# Altium PCB ASM001-design.PcbDoc (part 1 of 2)
Units mm, origin at the board's own origin, x right, y up, seen from the top; angles counter-clockwise.
Board outline 100 x 100 mm, 6 copper layers (L0, L2, L4, L6, L8, L10), stack 1.538 mm thick; 65 components, 48 nets, 529 pads, 2 vias.
Unrouted connection lines stored in the file: 163.
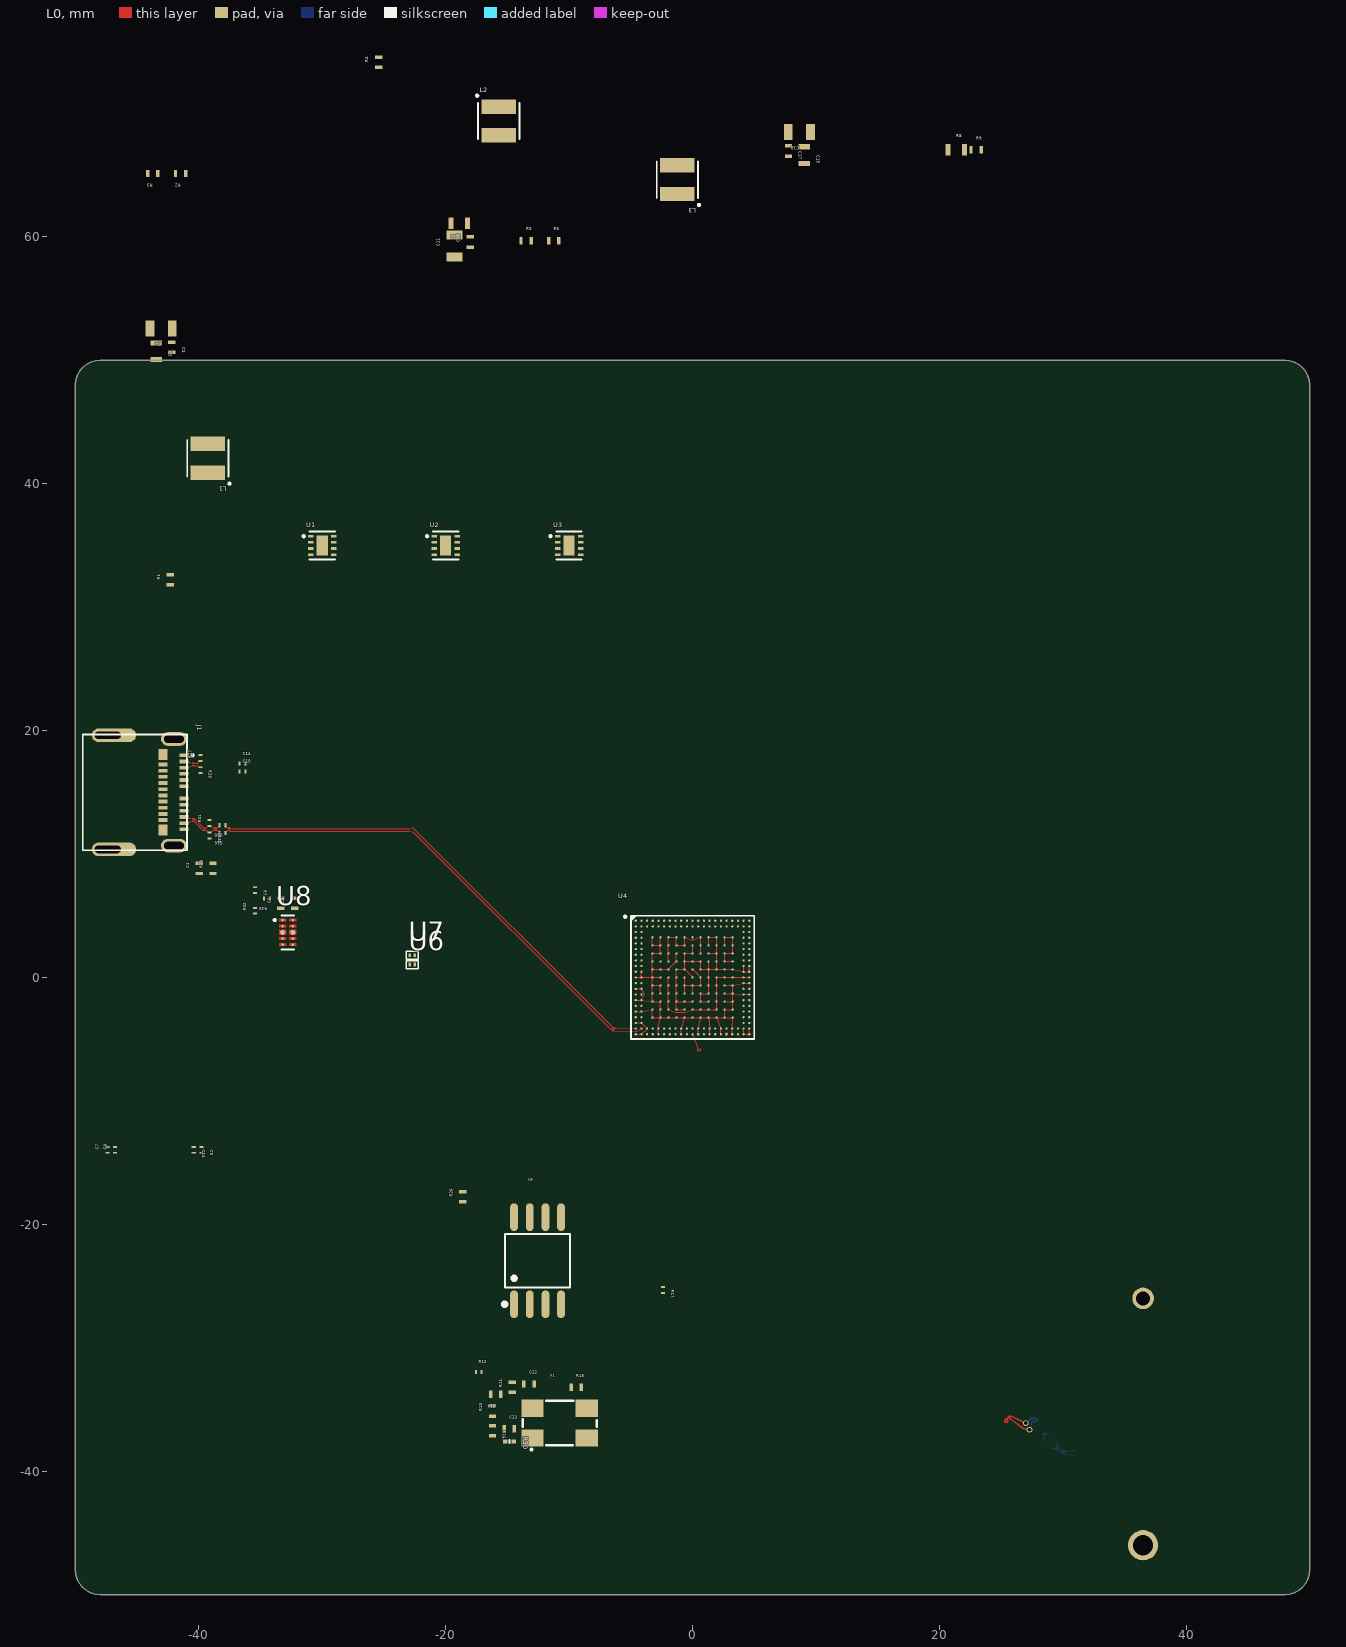
[diagram p0: L0 view]
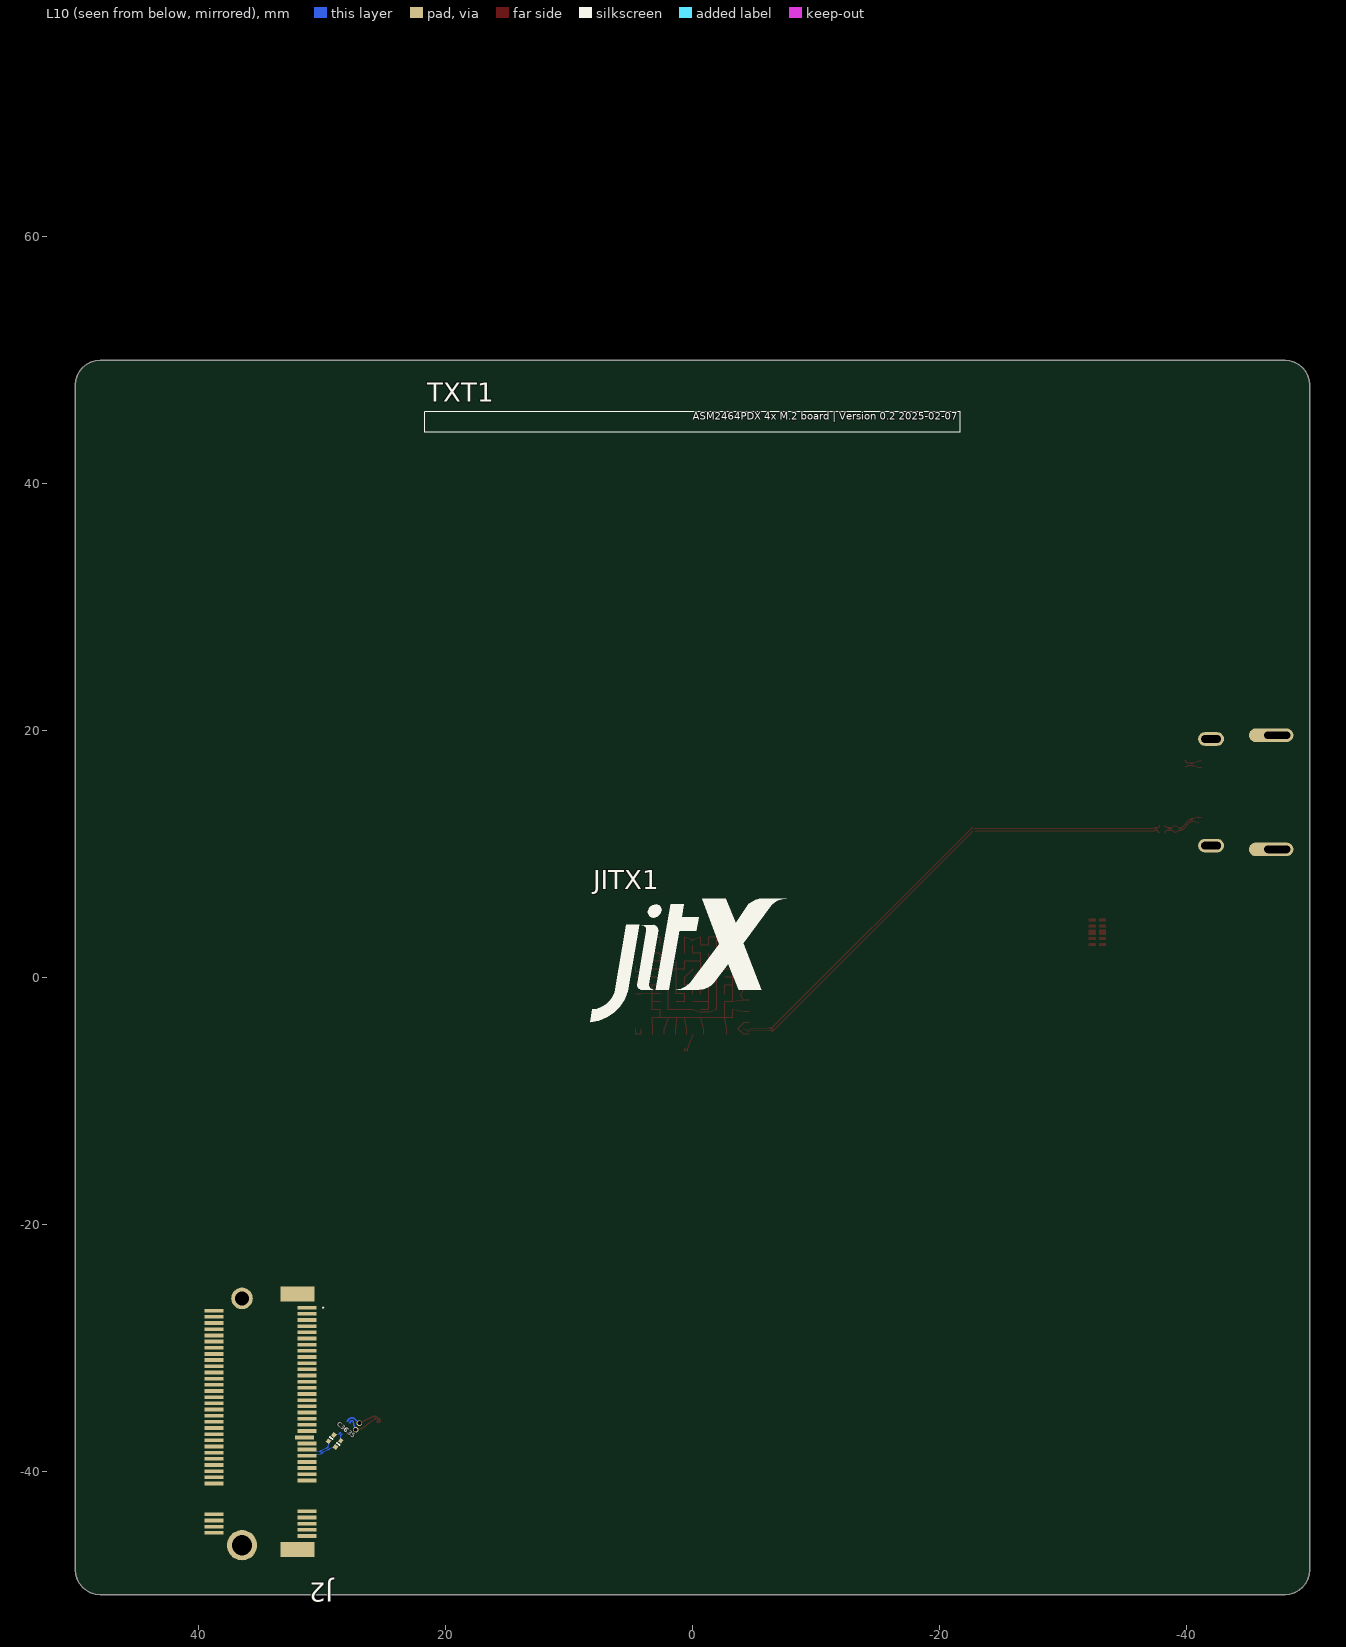
[diagram p1: L10 view, seen from below]
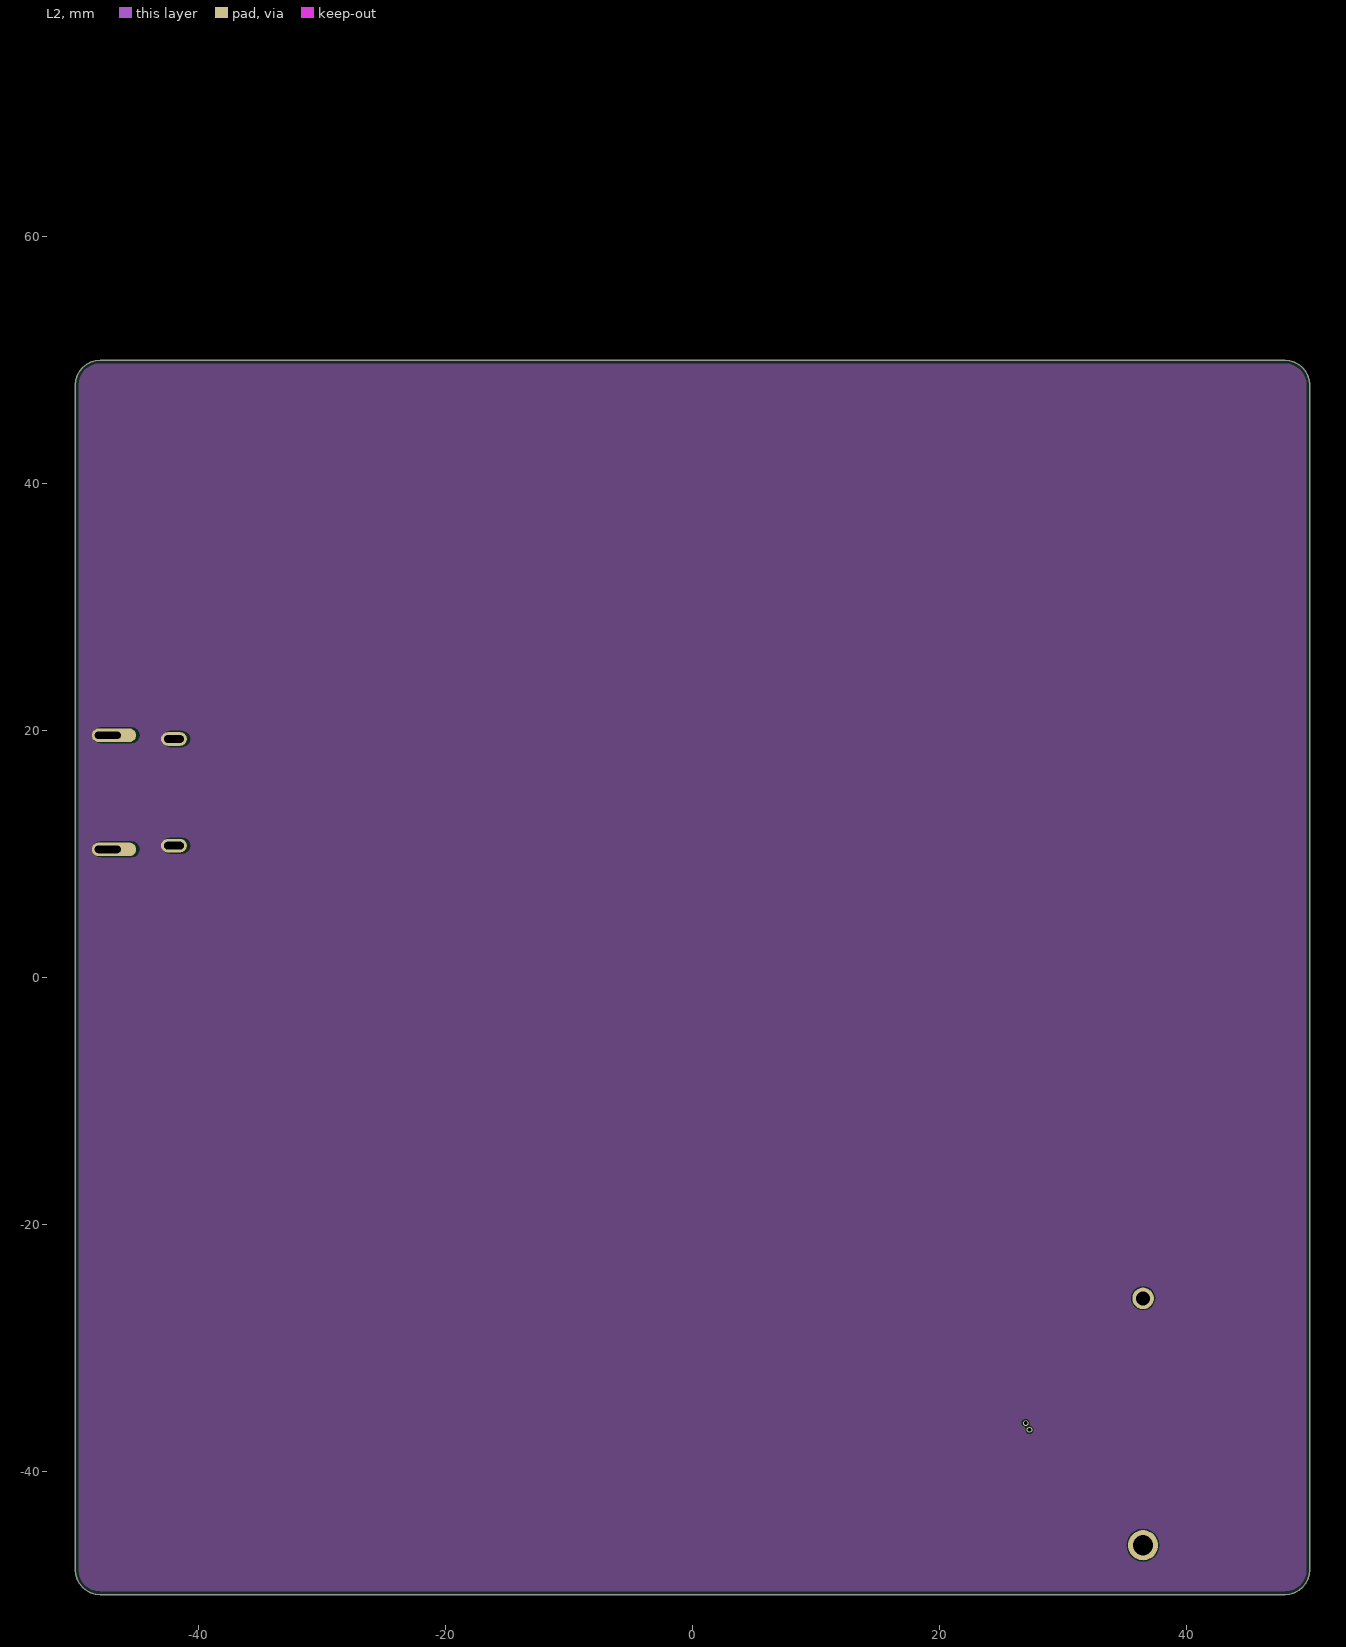
[diagram p2: L2]
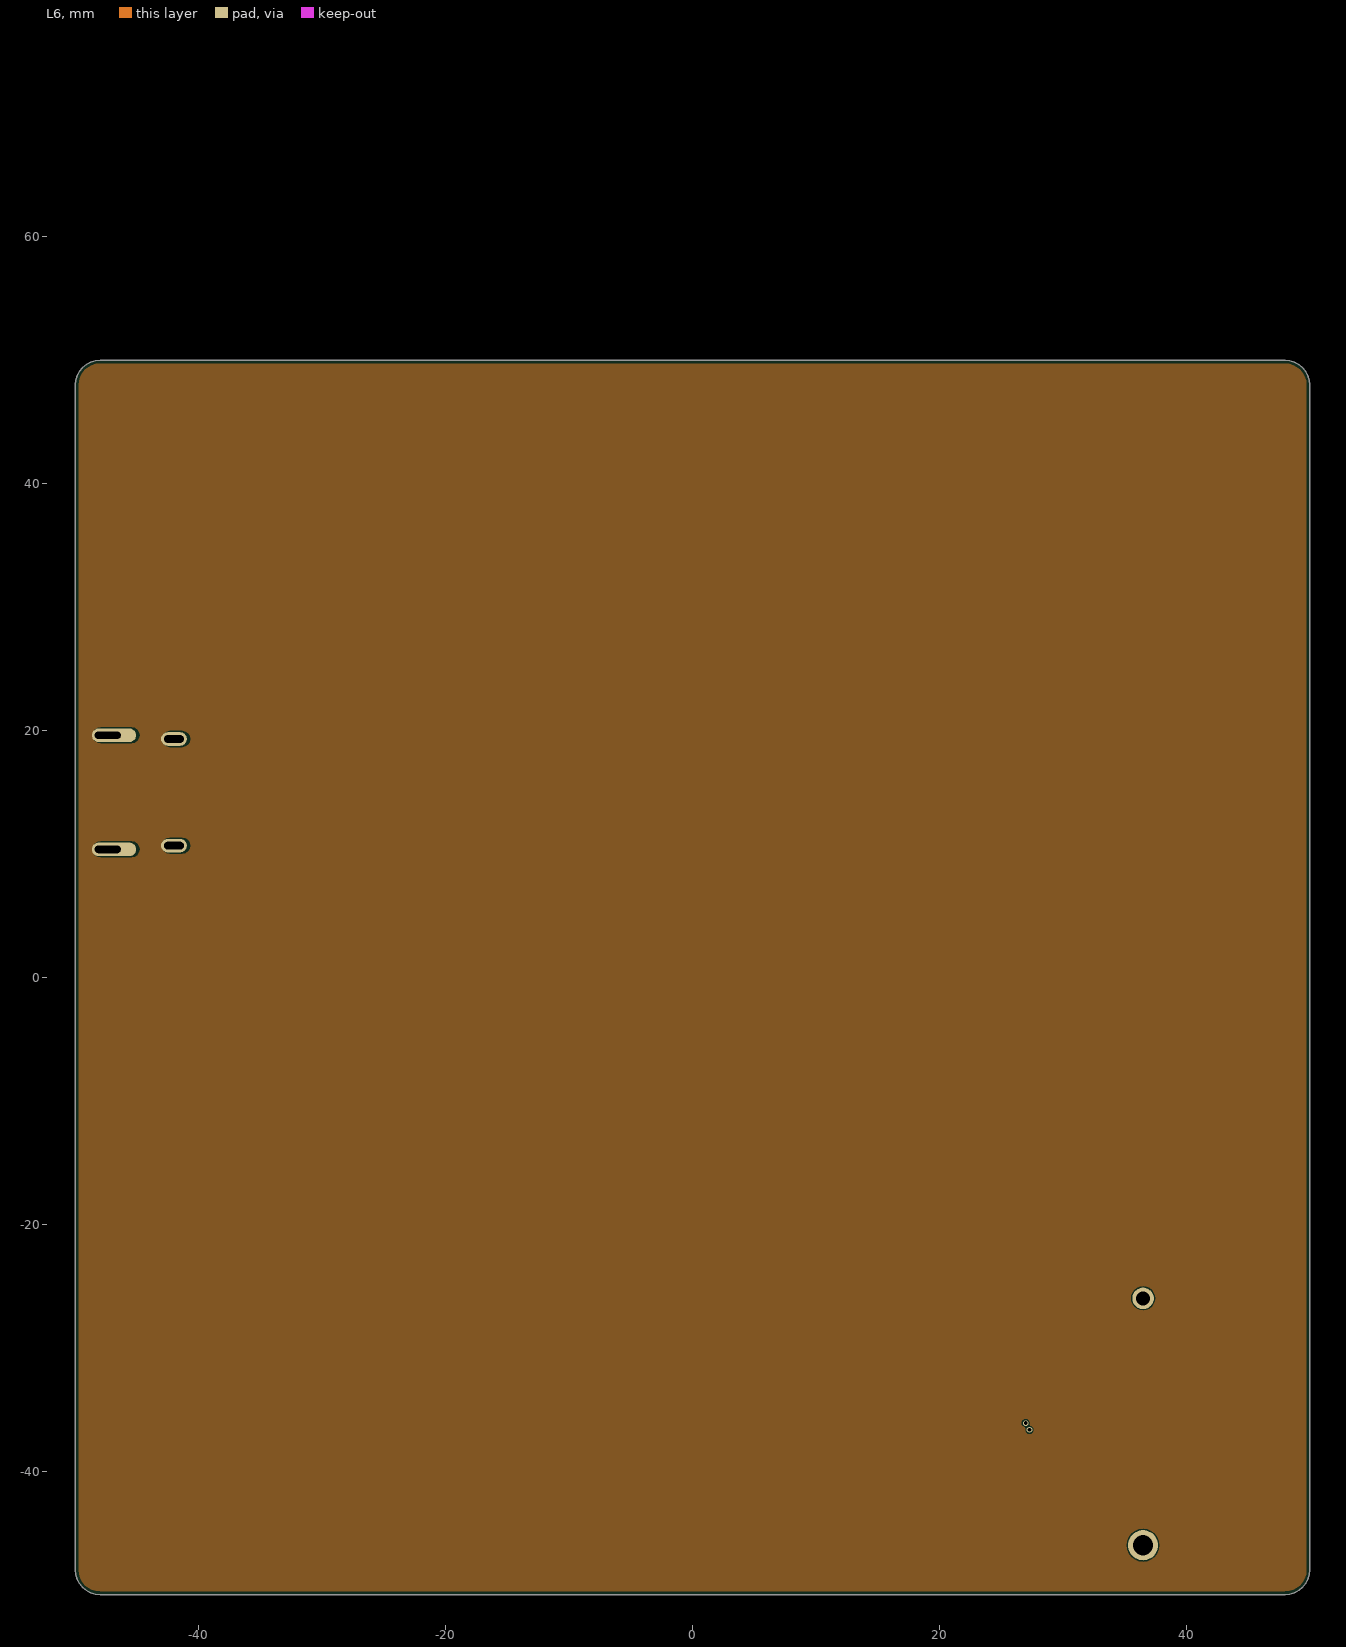
[diagram p3: L6]
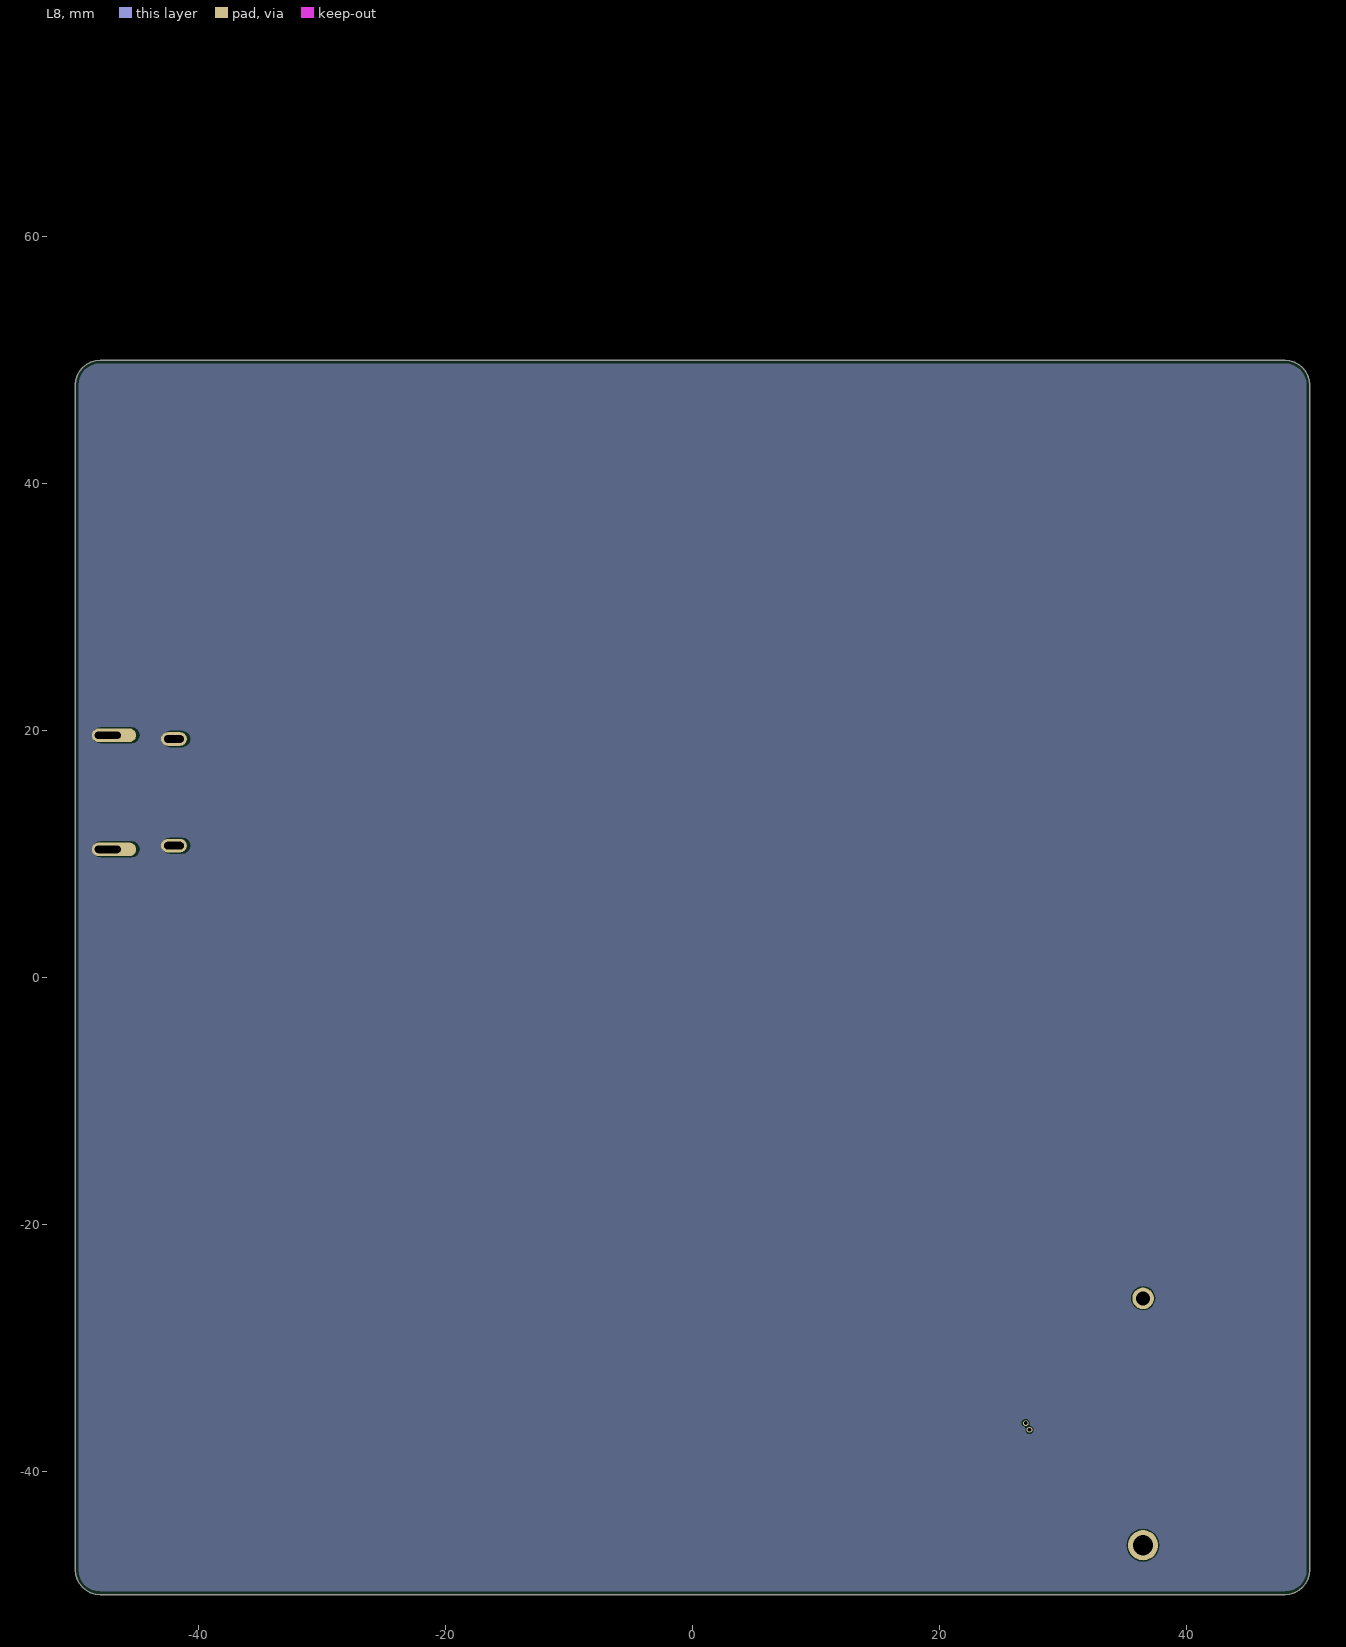
[diagram p4: L8]

## Layer stack, top to bottom
Top Solder: solder mask 0.0102, Solder Resist, Dk 3.5
L0: signal copper 0.035
3313: dielectric 0.0994, FR-4, Dk 4.26
L2: signal copper 0.0152
core: dielectric 0.55, FR-4, Dk 4.26
L4: signal copper 0.0152
2116: dielectric 0.1088, FR-4, Dk 4.26
L6: signal copper 0.0152
core: dielectric 0.55, FR-4, Dk 4.26
L8: signal copper 0.0152
3313: dielectric 0.0994, FR-4, Dk 4.26
L10: signal copper 0.035
Bottom Solder: solder mask 0.0102, Solder Resist, Dk 3.5

## Board outline
-49.848,-48.765 -49.962,-48.39 -50,-48 -50,48 -49.962,48.39 -49.848,48.765 -49.663,49.111 -49.414,49.414 -49.111,49.663 -48.765,49.848 -48.39,49.962 -48,50 48,50 48.39,49.962 48.765,49.848 49.111,49.663 49.414,49.414 49.663,49.111 49.848,48.765 49.962,48.39 50,48 50,-48 49.962,-48.39 49.848,-48.765 49.663,-49.111 49.414,-49.414 49.111,-49.663 48.765,-49.848 48.39,-49.962 48,-50 -48,-50 -48.39,-49.962 -48.765,-49.848 -49.111,-49.663 -49.414,-49.414 -49.663,-49.111

## Design rules (kind name [scope] priority, off if disabled: settings)
BoardOutlineClearance [JITX]BoardOutline [All] p1: gap=0.254 ignorepadtopadclearanceinfootprint=FALSE except(0: Arc-SplitContinuation Track-SplitContinuation SMDPad-SplitContinuation THPad-SplitContinuation Via-SplitContinuation Fill-SplitContinuation Poly-SplitContinuation Region-SplitContinuation Text-SplitContinuation) // General
Clearance [JITX]TrackClearance [All] p1: gap=0.09 ignorepadtopadclearanceinfootprint=FALSE // General
DiffPairsRouting [All] p1: maxlimit=0.254 minlimit=0.254 mostfreqgap=0.254 toplayer_minwidth=0.381 toplayer_maxwidth=0.381 toplayer_prefwidth=0.381 midlayer1_minwidth=0.381 midlayer1_maxwidth=0.381 midlayer1_prefwidth=0.381 midlayer2_minwidth=0.381 midlayer2_maxwidth=0.381 midlayer2_prefwidth=0.381 midlayer3_minwidth=0.381 midlayer3_maxwidth=0.381 midlayer3_prefwidth=0.381 midlayer4_minwidth=0.381 midlayer4_maxwidth=0.381 midlayer4_prefwidth=0.381 bottomlayer_minwidth=0.381 bottomlayer_maxwidth=0.381 bottomlayer_prefwidth=0.381 maxuncoupledlength=12.7
Height [JITX]MaxMinHeight [All] p1: minheight=0 maxheight=400 prefheight=0 // General
HoleSize [JITX]HoleSize [All] p1: absolutevalues=TRUE maxlimit=100 minlimit=0.3 maxpercent=80.000 minpercent=20.000 // General
HoleToHoleClearance [JITX]Clearance [All] p1: gap=0.5 allowstackedmicrovias=FALSE // General
MaxMinImpedance asm2464pdx_usb-c_lane [InNet('asm2464pdx_usb-c_lane0_RX_N') OR InNet('asm2464pdx_usb-c_lane0_RX_P') OR InNet('asm2464pdx_usb-c_lane0_TX_N') OR InNet('asm2464pdx_usb-c_lane0_TX_P') OR InNet('asm2464pdx_usb-c_lane1_RX_N')                    OR InNet('asm2464pdx_usb-c_lane1_RX_P') OR InNet('asm2464pdx_usb-c_lane1_TX_P') OR InNet('asm2464pdx_usb-c_lane1_TX_N')] p1: minimum=80.00 maximum=90.00
MinimumAnnularRing [JITX]AnnularRing [All] p1: minimumring=0.13 // General
PolygonConnect PolygonConnect_1 [All] p1: connectstyle=Direct reliefconductorwidth=0.254 reliefentries=4 polygonreliefangle="90 Angle" airgapwidth=0.254
PolygonConnect [All] p2: connectstyle=Relief reliefconductorwidth=0.254 reliefentries=4 polygonreliefangle="90 Angle" airgapwidth=0.254
RoutingVias [All] p1: holewidth=0.711 width=1.27 viastyle="Through Hole" minholewidth=0.711 minwidth=1.27 maxholewidth=0.711 maxwidth=1.27
SignalStimulus "Schematic Signal Stimulus_3" [InNet('asm2464pdx_usb-c_lane1_RX_P')] p1: kind=1 level=1 starttime=0.000 stoptime=2.000 periodtime=50.00p
SignalStimulus "Schematic Signal Stimulus_1" [InNet('asm2464pdx_usb-c_lane1_RX_N')] p2: kind=1 level=1 starttime=0.000 stoptime=2.000 periodtime=50.00p
SignalStimulus "Schematic Signal Stimulus_8" [InNet('asm2464pdx_usb-c_lane0_TX_N')] p3: kind=1 level=1 starttime=0.000 stoptime=2.000 periodtime=50.00p
SignalStimulus "Schematic Signal Stimulus_6" [InNet('asm2464pdx_usb-c_lane1_RX_P')] p4: kind=1 level=1 starttime=0.000 stoptime=2.000 periodtime=50.00p
SignalStimulus "Schematic Signal Stimulus_5" [InNet('asm2464pdx_usb-c_lane0_RX_P')] p5: kind=1 level=1 starttime=0.000 stoptime=2.000 periodtime=50.00p
SignalStimulus "Schematic Signal Stimulus_4" [InNet('asm2464pdx_usb-c_lane1_RX_N')] p6: kind=1 level=1 starttime=0.000 stoptime=2.000 periodtime=50.00p
SignalStimulus "Schematic Signal Stimulus_2" [InNet('asm2464pdx_usb-c_lane0_TX_P')] p7: kind=1 level=1 starttime=0.000 stoptime=2.000 periodtime=50.00p
SignalStimulus "Schematic Signal Stimulus" [InNet('asm2464pdx_usb-c_lane0_RX_N')] p8: kind=1 level=1 starttime=0.000 stoptime=2.000 periodtime=50.00p
SolderMaskExpansion [JITX]SolderMaskExpansion [All] p1: expansion=0.05 istentingtop=FALSE // General
SupplyNets "Schematic Supply Nets" [InNet('NetC1_2')] p1: voltage=0.000
Width [JITX]TrackWidth [isTrack] p1: maxlimit=100 minlimit=0.09 preferedwidth=0.09 // General
26 further rules are at their usual default settings.
